# KiCad board proteus.kicad_pcb (continued)
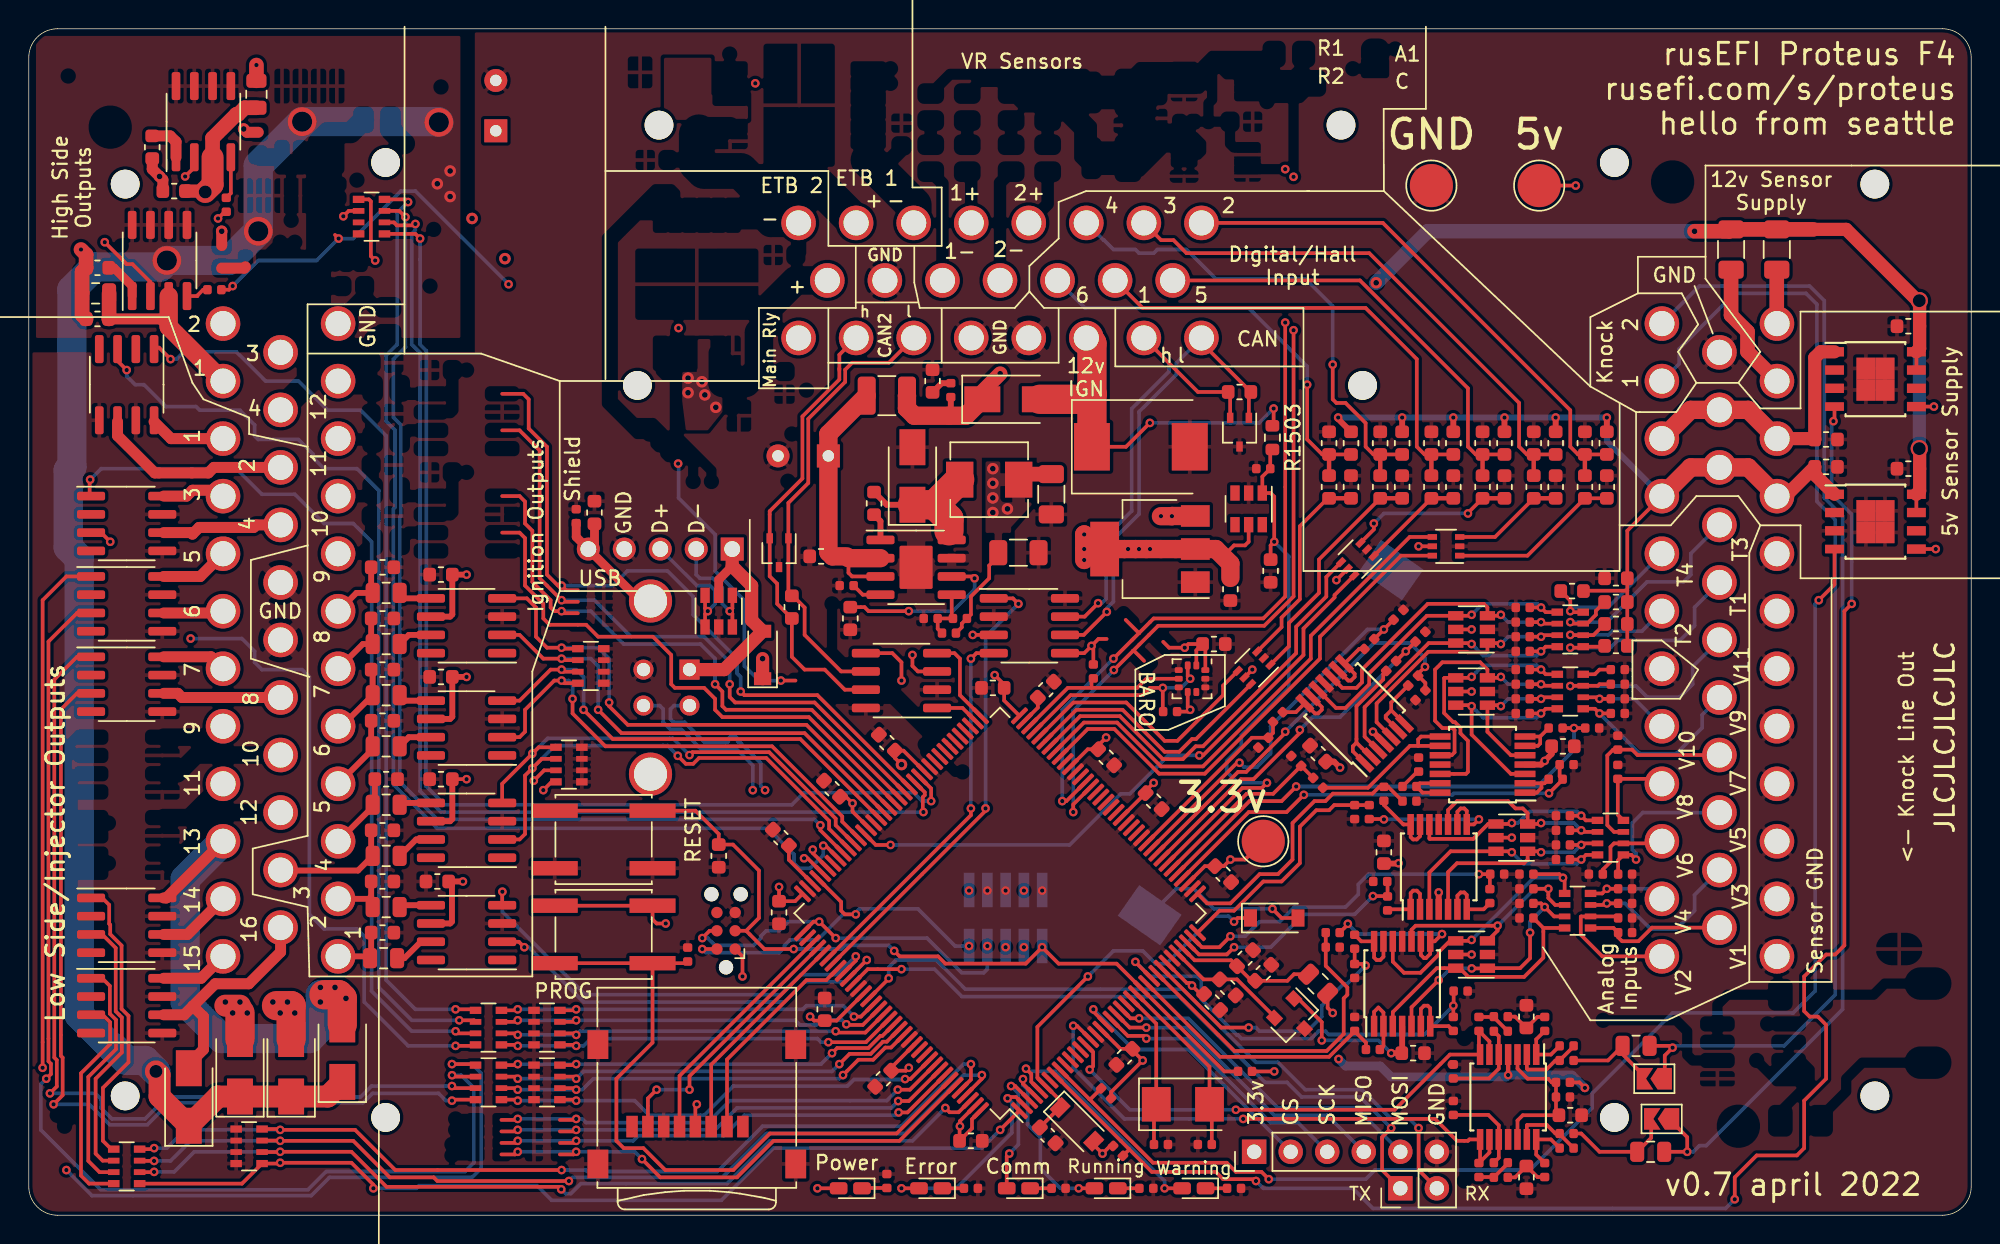
[diagram p0: board, top side]
## Footprints (pads in the part's own frame, mm; a bottom-side part is the same pattern mirrored in y, then rotated)
ampseal-23
  round 2 hole 2 unplated: (-25.2,-7.3) (-23.7,10.8) (23.7,10.8) (25.2,-7.3)
  round 2.4 hole 1.75: 1(-14,4) 2(-10,4) 3(-6,4) 4(-2,4) 5(2,4) 6(6,4) 7(10,4) 8(14,4) 9(-12,0) 10(-8,0) 11(-4,0) 12(0,0) 13(4,0) 14(8,0) 15(12,0) 16(-14,-4) 17(-10,-4) 18(-6,-4) 19(-2,-4) 20(2,-4) 21(6,-4) 22(10,-4) 23(14,-4)
ampseal-35
  round 2 hole 2 unplated: (-33.2,-7.3) (-31.7,10.8) (31.7,10.8) (33.2,-7.3)
  round 2.4 hole 1.75: 1(-22,4) 2(-18,4) 3(-14,4) 4(-10,4) 5(-6,4) 6(-2,4) 7(2,4) 8(6,4) 9(10,4) 10(14,4) 11(18,4) 12(22,4) 13(-20,0) 14(-16,0) 15(-12,0) 16(-8,0) 17(-4,0) 18(0,0) 19(4,0) 20(8,0) 21(12,0) 22(16,0) 23(20,0) 24(-22,-4) 25(-18,-4) 26(-14,-4) 27(-10,-4) 28(-6,-4) 29(-2,-4) 30(2,-4) 31(6,-4) 32(10,-4) 33(14,-4) 34(18,-4) 35(22,-4)
ampseal-35-2
  round 2 hole 2 unplated: (-33.2,-7.3) (-31.7,10.8) (31.7,10.8) (33.2,-7.3)
  round 2.4 hole 1.75: 1(-22,4) 2(-18,4) 3(-14,4) 4(-10,4) 5(-6,4) 6(-2,4) 7(2,4) 8(6,4) 9(10,4) 10(14,4) 11(18,4) 12(22,4) 13(-20,0) 14(-16,0) 15(-12,0) 16(-8,0) 17(-4,0) 18(0,0) 19(4,0) 20(8,0) 21(12,0) 22(16,0) 23(20,0) 24(-22,-4) 25(-18,-4) 26(-14,-4) 27(-10,-4) 28(-6,-4) 29(-2,-4) 30(2,-4) 31(6,-4) 32(10,-4) 33(14,-4) 34(18,-4) 35(22,-4)
BatteryHolder_Keystone_1060_1x2032
  rect 2.6x3.6 smd: 1(-14.65,0) 2(14.65,0)
C_0402_1005Metric
  rrect 0.59x0.64 smd: 1(-0.485,0) 2(0.485,0)
C_0603_1608Metric
  rrect 0.875x0.95 smd: 1(-0.787,0) 2(0.787,0)
C_0805_2012Metric
  rrect 0.975x1.4 smd: 1(-0.938,0) 2(0.938,0)
C_1206_3216Metric
  rrect 1.25x1.75 smd: 1(-1.4,0) 2(1.4,0)
conn_5_2.5mm
  rect 1.6x1.6 hole 1.1: 1(-5,0)
  round 1.6 hole 1.1: 2(-2.5,0) 3(0,0) 4(2.5,0) 5(5,0)
CP_Radial_D8.0mm_P3.50mm
  rect 1.6x1.6 hole 0.8: 1(0,0)
  round 1.6 hole 0.8: 2(3.5,0)
Crystal_SMD_5032-2Pin_5.0x3.2mm
  rect 2x2.4 smd: 1(-1.85,0) 2(1.85,0)
D_SMA
  rect 2.5x1.8 smd: 1(-2,0) 2(2,0)
D_SMC
  rect 2.5x3.3 smd: 1(-3.4,0) 2(3.4,0)
D_SOD-123
  rect 0.9x1.2 smd: 1(-1.65,0) 2(1.65,0)
Infineon_PG-DSO-8-43
  rect 1.31x0.65 smd: 1(-2.845,1.905) 2(-2.845,0.635) 3(-2.845,-0.635) 5(2.845,-1.905) 6(2.845,-0.635) 7(2.845,0.635) 8(2.845,1.905)
  rect 1.31x0.6 smd: 4(-2.845,-1.905)
  rect 1.325x1.5 smd: 9(-0.662,0.75) 9(-0.662,-0.75) 9(0.662,0.75) 9(0.662,-0.75)
L_0805_2012Metric
  rrect 0.975x1.4 smd: 1(-0.938,0) 2(0.938,0)
L_1210_3225Metric
  rrect 1.25x2.65 smd: 1(-1.4,0) 2(1.4,0)
LED_0603_1608Metric_Castellated
  rrect 1.225x0.85 smd: 1(-0.812,0) 2(0.812,0)
LQFP-144_20x20mm_P0.5mm
  rrect 1.475x0.3 smd: 1(-10.662,8.75) 2(-10.662,8.25) 3(-10.663,7.75) 4(-10.662,7.25) 5(-10.662,6.75) 6(-10.662,6.25) 7(-10.662,5.75) 8(-10.662,5.25) 9(-10.662,4.75) 10(-10.662,4.25) 11(-10.662,3.75) 12(-10.662,3.25) 13(-10.662,2.75) 14(-10.662,2.25) 15(-10.662,1.75) 16(-10.663,1.25) 17(-10.662,0.75) 18(-10.662,0.25) 19(-10.662,-0.25) 20(-10.662,-0.75) 21(-10.663,-1.25) 22(-10.662,-1.75) 23(-10.662,-2.25) 24(-10.662,-2.75) 25(-10.662,-3.25) 26(-10.662,-3.75) 27(-10.662,-4.25) 28(-10.662,-4.75) 29(-10.662,-5.25) 30(-10.662,-5.75) 31(-10.662,-6.25) 32(-10.662,-6.75) 33(-10.662,-7.25) 34(-10.663,-7.75) 35(-10.662,-8.25) 36(-10.662,-8.75) 73(10.662,-8.75) 74(10.662,-8.25) 75(10.663,-7.75) 76(10.662,-7.25) 77(10.662,-6.75) 78(10.662,-6.25) 79(10.662,-5.75) 80(10.662,-5.25) 81(10.662,-4.75) 82(10.662,-4.25) 83(10.662,-3.75) 84(10.662,-3.25) 85(10.662,-2.75) 86(10.662,-2.25) 87(10.662,-1.75) 88(10.663,-1.25) 89(10.662,-0.75) 90(10.662,-0.25) 91(10.662,0.25) 92(10.662,0.75) 93(10.663,1.25) 94(10.662,1.75) 95(10.662,2.25) 96(10.662,2.75) 97(10.662,3.25) 98(10.662,3.75) 99(10.662,4.25) 100(10.662,4.75) 101(10.662,5.25) 102(10.662,5.75) 103(10.662,6.25) 104(10.662,6.75) 105(10.662,7.25) 106(10.663,7.75) 107(10.662,8.25) 108(10.662,8.75)
  rrect 0.3x1.475 smd: 37(-8.75,-10.662) 38(-8.25,-10.662) 39(-7.75,-10.663) 40(-7.25,-10.662) 41(-6.75,-10.662) 42(-6.25,-10.662) 43(-5.75,-10.662) 44(-5.25,-10.662) 45(-4.75,-10.662) 46(-4.25,-10.662) 47(-3.75,-10.662) 48(-3.25,-10.662) 49(-2.75,-10.662) 50(-2.25,-10.662) 51(-1.75,-10.662) 52(-1.25,-10.663) 53(-0.75,-10.662) 54(-0.25,-10.662) 55(0.25,-10.662) 56(0.75,-10.662) 57(1.25,-10.663) 58(1.75,-10.662) 59(2.25,-10.662) 60(2.75,-10.662) 61(3.25,-10.662) 62(3.75,-10.662) 63(4.25,-10.662) 64(4.75,-10.662) 65(5.25,-10.662) 66(5.75,-10.662) 67(6.25,-10.662) 68(6.75,-10.662) 69(7.25,-10.662) 70(7.75,-10.663) 71(8.25,-10.662) 72(8.75,-10.662) 109(8.75,10.662) 110(8.25,10.662) 111(7.75,10.663) 112(7.25,10.662) 113(6.75,10.662) 114(6.25,10.662) 115(5.75,10.662) 116(5.25,10.662) 117(4.75,10.662) 118(4.25,10.662) 119(3.75,10.662) 120(3.25,10.662) 121(2.75,10.662) 122(2.25,10.662) 123(1.75,10.662) 124(1.25,10.663) 125(0.75,10.662) 126(0.25,10.662) 127(-0.25,10.662) 128(-0.75,10.662) 129(-1.25,10.663) 130(-1.75,10.662) 131(-2.25,10.662) 132(-2.75,10.662) 133(-3.25,10.662) 134(-3.75,10.662) 135(-4.25,10.662) 136(-4.75,10.662) 137(-5.25,10.662) 138(-5.75,10.662) 139(-6.25,10.662) 140(-6.75,10.662) 141(-7.25,10.662) 142(-7.75,10.663) 143(-8.25,10.662) 144(-8.75,10.662)
microSD_HC_Wuerth_693072010801
  rect 0.8x1.5 smd: 1(-3.2,1.55) 2(-2.1,1.55) 3(-1,1.55) 4(0.1,1.55) 5(1.2,1.55) 6(2.3,1.55) 7(3.4,1.55) 8(4.5,1.55)
  rect 1.45x2 smd: 9(-6.875,4.15) 9(-6.875,-4.15) 9(6.875,4.15) 9(6.875,-4.15)
MWSA0503
  rect 1.9x2.5 smd: 1(2.05,0) 2(-2.05,0)
PinHeader_1x02_P2.54mm_Vertical
  rect 1.7x1.7 hole 1: 1(0,0)
  oval 1.7x1.7 hole 1: 2(0,-2.54)
PinHeader_1x06_P2.54mm_Vertical
  rect 1.7x1.7 hole 1: 1(0,0)
  oval 1.7x1.7 hole 1: 2(0,-2.54) 3(0,-5.08) 4(0,-7.62) 5(0,-10.16) 6(0,-12.7)
PinHeader_2x05_P1.27mm_Vertical_SMD
  rect 2.4x0.74 smd: 1(-1.95,2.54) 2(1.95,2.54) 3(-1.95,1.27) 4(1.95,1.27) 5(-1.95,0) 6(1.95,0) 7(-1.95,-1.27) 8(1.95,-1.27) 9(-1.95,-2.54) 10(1.95,-2.54)
R_0402_1005Metric
  rrect 0.59x0.64 smd: 1(-0.485,0) 2(0.485,0)
R_0603_1608Metric
  rrect 0.875x0.95 smd: 1(-0.787,0) 2(0.787,0)
R_0603_1608Metric#2
  rrect 0.8x0.95 smd: 1(-0.825,0) 2(0.825,0)
R_0805_2012Metric
  rrect 0.975x1.4 smd: 1(-0.938,0) 2(0.938,0)
R_1206_3216Metric
  rrect 1.25x1.75 smd: 1(-1.4,0) 2(1.4,0)
R_Array_Convex_4x0603
  rect 0.8x0.5 smd: 1(-0.9,1.2) 4(-0.9,-1.2) 5(0.9,-1.2) 8(0.9,1.2)
  rect 0.8x0.4 smd: 2(-0.9,0.4) 3(-0.9,-0.4) 6(0.9,-0.4) 7(0.9,0.4)
SOIC-8-1EP_3.9x4.9mm_P1.27mm_EP2.29x3mm
  rrect 0.92x1.21 smd: (-0.57,0.75) (-0.57,-0.75) (0.57,0.75) (0.57,-0.75)
  rrect 1.95x0.6 smd: 1(-2.475,1.905) 2(-2.475,0.635) 3(-2.475,-0.635) 4(-2.475,-1.905) 5(2.475,-1.905) 6(2.475,-0.635) 7(2.475,0.635) 8(2.475,1.905)
  rrect 2.3x3 smd: 9(0,0)
SOIC-8_3.9x4.9mm_P1.27mm
  rrect 1.95x0.6 smd: 1(-2.475,1.905) 2(-2.475,0.635) 3(-2.475,-0.635) 4(-2.475,-1.905) 5(2.475,-1.905) 6(2.475,-0.635) 7(2.475,0.635) 8(2.475,1.905)
SolderJumper-2_P1.3mm_Open_TrianglePad1.0x1.5mm
  custom 1.5x1.5 smd: 1(-0.725,0)
  custom 1.15x1.5 smd: 2(0.725,0)
SOT-23
  rect 0.9x0.8 smd: 1(-1,0.95) 2(-1,-0.95) 3(1,0)
SOT-23-6
  rect 1.06x0.65 smd: 1(-1.1,0.95) 2(-1.1,0) 3(-1.1,-0.95) 4(1.1,-0.95) 5(1.1,0) 6(1.1,0.95)
SOT-223-3_TabPin2
  rect 2x1.5 smd: 1(-3.15,2.3) 2(-3.15,0) 3(-3.15,-2.3)
  rect 2x3.8 smd: 2(3.15,0)
SOT-323_SC-70
  rect 0.7x0.45 smd: 1(-1,0.65) 2(-1,-0.65) 3(1,0)
SOT-363_SC-70-6
  rect 0.65x0.4 smd: 1(-0.95,0.65) 2(-0.95,0) 3(-0.95,-0.65) 4(0.95,-0.65) 5(0.95,0) 6(0.95,0.65)
ST_HLGA-10_2.5x2.5mm_P0.6mm_LayoutBorder3x2y
  rrect 0.55x0.4 smd: 1(-0.925,0.3) 2(-0.925,-0.3) 6(0.925,-0.3) 7(0.925,0.3)
  rrect 0.4x0.55 smd: 3(-0.6,-0.925) 4(0,-0.925) 5(0.6,-0.925) 8(0.6,0.925) 9(0,0.925) 10(-0.6,0.925)
SW_SPST_EVQQ2
  rect 3.2x1 smd: 1(-3.4,2) 1(3.4,2) 2(-3.4,-2) 2(3.4,-2)
Tag-Connect_TC2030-IDC-NL_2x03_P1.27mm_Vertical
  round 0.991 hole 0.991 unplated: (-2.54,0) (2.54,1.016) (2.54,-1.016)
  round 0.787 smd: 1(-1.27,-0.635) 2(-1.27,0.635) 3(0,-0.635) 4(0,0.635) 5(1.27,-0.635) 6(1.27,0.635)
TestPoint_Pad_D3.0mm
  round 3 smd: 1(0,0)
TSSOP-14_4.4x5mm_P0.65mm
  rect 1.45x0.45 smd: 1(-2.95,1.95) 2(-2.95,1.3) 3(-2.95,0.65) 4(-2.95,0) 5(-2.95,-0.65) 6(-2.95,-1.3) 7(-2.95,-1.95) 8(2.95,-1.95) 9(2.95,-1.3) 10(2.95,-0.65) 11(2.95,0) 12(2.95,0.65) 13(2.95,1.3) 14(2.95,1.95)
TSSOP-14_4.4x5mm_P0.65mm#2
  rect 1.45x0.45 smd: 1(-2.95,1.95) 2(-2.95,1.3) 3(-2.95,0.65) 4(-2.95,0) 5(-2.95,-0.65) 6(-2.95,-1.3) 7(-2.95,-1.95) 8(2.95,-1.95) 9(2.95,-1.3) 10(2.95,-0.65) 11(2.95,0) 12(2.95,0.65) 13(2.95,1.3) 14(2.95,1.95)
USB_B_TE_5787834_Vertical
  rect 1.4x1.4 hole 0.92: 1(0,0)
  round 1.4 hole 0.92: 2(-2.5,0) 3(-2.5,-3.2) 4(0,-3.2)
  round 3 hole 2.3: 5(-7.27,-2.71) 5(4.77,-2.71)

## Nets
+3V3: C20.1 C903.1 C1503.2 C1504.2 C1505.2 C1506.2 C1507.2 C1508.2 C1509.2 C1510.2 C1511.2 C1512.2 C1513.2 C1515.2 D4.2 D1501.5 D1502.2 FB1501.1 J1.4 J4.1 J108.1 J1502.1 J1505.1 R39.1 R40.2 R41.1 R1006.2 R1007.2 R1105.2 R1107.2 R1502.2 SW1502.2 U5.4 U6.5 U9.1 U9.6 U9.10 U902.2 U904.5 U1501.17 U1501.30 U1501.39 U1501.52 U1501.62 U1501.72 U1501.84 U1501.95 U1501.108 U1501.121 U1501.131 U1501.143 U1501.144
+5V: C701.1 C801.1 C901.1 C905.1 C906.1 C1004.1 C1101.1 C1604.2 C1607.2 C1701.2 C1704.2 D1503.1 J107.1 L1001.2 R908.2 U1.5 U2.5 U3.5 U4.5 U6.3 U8.1 U701.4 U801.4 U901.4 U902.3 U904.3 U1004.5 U1005.5 U1101.4 U1202.5 U1207.5 U1208.5 U1602.6 U1603.6 U1701.6 U1702.6
/5V_SENSOR_1: C1016.1 C1409.2 J103.9 J103.21 J103.32 R1101.1 R1102.1 R1103.1 R1104.1 R1201.1 R1203.1 R1401.1 R1403.1 R1405.1 R1407.1 U1004.1
/5V_SENSOR_2: C1018.1 J103.10 J103.22 J103.33 U1005.1
/12V_MR: C17.1 D101.1 D102.1 D103.1 D104.1 J101.23 U1102.5 U1102.6 U1102.7 U1102.8 U1103.5 U1103.6 U1103.7 U1103.8
/12V_PROT: C1015.1 C1017.1 D903.1 F101.2 F102.1 L1002.1 R906.1 U1004.7 U1004.8 U1005.7 U1005.8
/12V_RAW: D903.2 D1001.1 J101.18 R1503.1
/AV1: J103.13 R701.1 RN701.1
/AV2: J103.24 R702.1 RN701.2
/AV3: J103.14 R703.1 RN701.3
/AV4: J103.25 R704.1 RN701.4
/AV5: J103.15 R801.1 RN801.1
/AV6: J103.26 R802.1 RN801.2
/AV7: J103.16 R803.1 RN801.3
/AV8: J103.27 R804.1 RN801.4
/AV9: J103.17 R901.1 RN901.1
/AV10: J103.28 R902.1 RN901.2
/AV11: J103.18 R903.1 RN901.3
/mcu/5V_SENSOR_1_PG: R1006.1 U1004.4 U1501.9
/mcu/5V_SENSOR_2_PG: R1007.1 U1005.4 U1501.8
/mcu/12V_DIVIDED: C1523.1 D1501.1 R1503.2 R1504.1 U1501.43
/mcu/AV1: R1.1 R5.2 U1501.26
/mcu/AV2: R2.1 R6.2 U1501.27
/mcu/AV3: R3.1 R7.2 U1501.28
/mcu/AV4: R4.1 R8.2 U1501.29
/mcu/AV5: R9.1 R13.2 U1501.34
/mcu/AV6: R10.1 R14.2 U1501.35
/mcu/AV7: R11.1 R15.2 U1501.36
/mcu/AV8: R12.1 R16.2 U1501.37
/mcu/AV9: R17.1 R21.2 U1501.40
/mcu/AV10: R18.1 R22.2 U1501.41
/mcu/AV11: R19.1 R23.2 U1501.42
/mcu/VDDA: C1501.1 C1502.1 FB1501.2 U1501.33
GND: BT1.2 C1.2 C2.2 C3.2 C4.2 C5.2 C6.2 C7.2 C8.2 C9.2 C10.2 C11.2 C12.2 C13.2 C14.2 C15.2 C16.2 C17.2 C20.2 C21.1 C22.1 C25.1 C26.1 C30.2 C701.2 C801.2 C901.2 C902.2 C903.2 C906.2 C1001.2 C1002.2 C1004.2 C1006.2 C1015.2 C1016.2 C1017.2 C1018.2 C1101.2 C1204.2 C1205.2 C1207.2 C1208.2 C1301.2 C1302.2 C1401.2 C1402.2 C1403.2 C1404.2 C1405.2 C1406.2 C1407.2 C1408.2 C1409.1 C1501.2 C1502.2 C1503.1 C1504.1 C1505.1 C1506.1 C1507.1 C1508.1 C1509.1 C1510.1 C1511.1 C1512.1 C1513.1 C1515.1 C1516.2 C1517.1 C1518.2 C1519.2 C1520.2 C1521.2 C1522.2 C1523.2 C1604.1 C1605.2 C1606.2 C1607.1 C1608.2 C1609.2 C1701.1 C1702.2 C1703.2 C1704.1 C1705.2 C1706.2 C1903.1 D1.3 D2.3 D901.2 D1001.2 D1501.2 J1.6 J1.9 J4.5 J101.14 J101.19 J101.20 J102.17 J102.18 J102.24 J103.1 J103.2 J103.3 J103.4 J103.5 J103.6 J103.7 J103.8 J103.23 J103.29 J105.1 J1501.4 J1502.3 J1502.5 J1502.9 J1504.4 J1505.6 R5.1 R6.1 R7.1 R8.1 R13.1 R14.1 R15.1 R16.1 R21.1 R22.1 R23.1 R24.1 R29.1 R30.1 R31.1 R32.1 R34.2 R35.2 R38.2 R701.2 R702.2 R703.2 R704.2 R801.2 R802.2 R803.2 R804.2 R901.2 R902.2 R903.2 R904.2 R905.2 R907.2 R1106.2 R1108.2 R1501.2 R1504.2 R1508.1 R1509.1 R1510.1 R1511.1 R1512.1 R1513.2 RN202.1 RN202.2 RN202.3 RN202.4 RN302.1 RN302.2 RN302.3 RN302.4 RN502.1 RN502.2 RN502.3 RN502.4 RN1601.1 RN1601.2 RN1601.3 RN1601.4 RN1701.1 RN1701.2 RN1701.3 RN1701.4 SW1501.2 U1.2 U2.2 U3.2 U4.2 U5.11 U6.2 U6.8 U8.3 U9.3 U9.5 U9.8 U9.9 U201.5 U201.7 U202.5 U202.7 U301.5 U301.7 U302.5 U302.7 U501.5 U501.7 U502.5 U502.7 U701.11 U801.11 U901.11 U902.1 U903.7 U903.9 U904.2 U904.8 U1004.3 U1004.9 U1005.3 U1005.9 U1101.11 U1202.2 U1207.2 U1208.2 U1501.16 U1501.31 U1501.38 U1501.48 U1501.51 U1501.61 U1501.83 U1501.94 U1501.107 U1501.120 U1501.130 U1502.2 U1602.3 U1603.3 U1701.3 U1702.3
/AT1: J103.19 R1101.2 RN1101.1
/AT2: J103.30 R1102.2 RN1101.2
/AT3: J103.20 R1103.2 RN1101.3
/AT4: J103.31 R1104.2 RN1101.4
/CAN2+: D2.2 J101.22 R33.1 U6.7
/CAN2-: D2.1 J101.21 R33.2 U6.6
/CAN+: D1.2 J101.17 R1004.1 U904.7
/CAN-: D1.1 J101.16 R1004.2 U904.6
/DIGITAL_1: C1401.1 J101.10 R1401.2 R1402.2
/DIGITAL_2: C1403.1 J101.1 R1403.2 R1404.2
/DIGITAL_3: C1405.1 J101.2 R1405.2 R1406.2
/DIGITAL_4: C1407.1 J101.3 R1407.2 R1408.2
/DIGITAL_5: C1204.1 J101.9 R1201.2 R1202.2
/DIGITAL_6: C1207.1 J101.11 R1203.2 R1204.2
/ETB1_DIR: J101.7 U1501.79
/ETB1_DIS: J101.6 U1501.80
/ETB1_PWM: U1501.81
/ETB2_DIR: J101.15 U1501.78
/ETB2_DIS: J101.8 U1501.77
/ETB2_PWM: U1501.82
/highside_quad/IN1: RN1301.4 U1501.101
/highside_quad/IN2: RN1301.3 U1501.100
/highside_quad/IN3: RN1301.2 U1501.86
/highside_quad/IN4: RN1301.1 U1501.85
/HS1: C1301.1 J102.2 R34.1 U1102.3
/HS2: C1302.1 J102.1 R35.1 U1103.3
/HS3: J102.13 RN1301.7
/HS4: J102.14 RN1301.8
/IGN1: C1605.1 J102.35 R1601.1
/ign1/IN1: RN1601.8 U1501.118 U1602.2
/ign1/IN2: RN1601.7 U1501.117 U1602.4
/ign1/IN3: RN1601.6 U1501.99 U1603.2
/ign1/IN4: RN1601.5 U1501.98 U1603.4
/IGN2: C1606.1 J102.34 R1602.1
/ign2/IN1: RN1701.8 U1501.97 U1701.2
/ign2/IN2: RN1701.7 U1501.93 U1701.4
/ign2/IN3: RN1701.6 U1501.92 U1702.2
/ign2/IN4: RN1701.5 U1501.91 U1702.4
/IGN3: C1608.1 J102.22 R1603.1
/IGN4: C1609.1 J102.33 R1604.1
/IGN5: C1702.1 J102.32 R1701.1
/IGN6: C1703.1 J102.31 R1702.1
/IGN7: C1705.1 J102.30 R1703.1
/IGN8: C1706.1 J102.29 R1704.1
/IGN9: J102.28 U1501.90
/IGN10: J102.27 U1501.89
/IGN11: J102.26 U1501.88
/IGN12: J102.25 U1501.87
/knock/FILTERED_1: C23.2 U5.6 U5.7 U1501.14
/knock/FILTERED_2: C24.2 U5.8 U5.9 U1501.15
/knock/V_mid: C1903.2 R38.1 R40.1 U5.3 U5.12
/KNOCK_1: C1901.2 J103.34 JP1.1
/KNOCK_2: C1902.2 J103.35 JP2.1
/lowside_quad1/IN1: RN201.4 RN202.8 U1501.123
/lowside_quad1/IN2: RN201.3 RN202.7 U1501.124
/lowside_quad1/IN3: RN201.2 RN202.6 U1501.125
/lowside_quad1/IN4: RN201.1 RN202.5 U1501.126
/lowside_quad2/IN1: RN301.4 RN302.8 U1501.127
/lowside_quad2/IN2: RN301.3 RN302.7 U1501.128
/lowside_quad2/IN3: RN301.2 RN302.6 U1501.129
/lowside_quad2/IN4: RN301.1 RN302.5 U1501.134
/lowside_quad4/IN1: RN501.4 RN502.8 U1501.140
/lowside_quad4/IN2: RN501.3 RN502.7 U1501.141
/lowside_quad4/IN3: RN501.2 RN502.6 U1501.142
/lowside_quad4/IN4: RN501.1 RN502.5 U1501.1
/LS1: J102.3 U201.8
/LS2: J102.15 U201.6
/LS3: J102.4 U202.8
/LS4: J102.16 U202.6
/LS5: J102.5 U301.8
/LS6: J102.6 U301.6
/LS7: J102.7 U302.8
/LS8: J102.19 U302.6
/LS9: J102.8 U1501.135
/LS10: J102.20 U1501.136
/LS11: J102.9 U1501.137
/LS12: J102.21 U1501.139
/LS13: D103.2 J102.10 U501.8
/LS14: D101.2 J102.11 U501.6
/LS15: D104.2 J102.12 U502.8
/LS16: D102.2 J102.23 U502.6
/mcu/AT1: R25.1 R29.2 U1501.44
/mcu/AT2: R26.1 R30.2 U1501.45
/mcu/AT3: R27.1 R31.2 U1501.46
/mcu/AT4: R28.1 R32.2 U1501.47
/mcu/AUX_SPI_CS: J1505.2 U1501.18
/mcu/AUX_SPI_MISO: J1505.4 U1501.20
/mcu/AUX_SPI_MOSI: J1505.5 U1501.21
/mcu/AUX_SPI_SCK: J1505.3 U1501.19
/mcu/BARO_SCL: R41.2 U9.2 U1501.69
/mcu/BARO_SDA: R39.2 U9.4 U1501.70
/mcu/BOOT0: R1513.1 SW1502.1 U1501.138
/mcu/CAN2_RX: U6.4 U1501.73
/mcu/CAN2_TX: U6.1 U1501.74
/mcu/CAN_RX: U904.4 U1501.114
/mcu/CAN_TX: U904.1 U1501.115
/mcu/DIGITAL1: U1202.6 U1501.96
/mcu/DIGITAL2: U1207.6 U1501.64
/mcu/DIGITAL3: U1207.4 U1501.65
/mcu/DIGITAL4: U1208.6 U1501.67
/mcu/DIGITAL5: U1202.4 U1501.66
/mcu/DIGITAL6: U1208.4 U1501.68
/mcu/LED1: D1504.2 U1501.2
/mcu/LED2: D1505.2 U1501.3
/mcu/LED3: D1506.2 U1501.4
/mcu/LED4: D1507.2 U1501.5
/mcu/nRESET: C1517.2 J4.3 J1502.10 R1502.1 SW1501.1 U1501.25
/mcu/SD_CS: J1.2 U1501.116
/mcu/SD_MISO: J1.7 U1501.112
/mcu/SD_MOSI: J1.3 U1501.113
/mcu/SD_SCK: J1.5 U1501.111
/mcu/SWCLK: J4.4 J1502.4 U1501.109
/mcu/SWDIO: J4.2 J1502.2 U1501.105
/mcu/UART_RX: J2.2 U1501.122
/mcu/UART_TX: J2.1 U1501.119
/quad_analog3/IN4: R904.1 RN901.4
/quad_analog3/OUT4: R20.1 R24.2
/USB_D+: J1501.3 J1504.3 U1501.104 U1502.1 U1502.6
/USB_D-: J1501.2 J1504.2 U1501.103 U1502.3 U1502.4
/USB_SHIELD: C1516.1 J1501.5 J1504.5 R1501.1
/VR1+: J101.5 U1501.58
/VR2+: J101.4 U1501.59
Net-(BT1-Pad1): BT1.1 D3.2
Net-(C1-Pad1): C1.1 RN701.8 U1.6 U701.3
Net-(C2-Pad1): C2.1 RN701.7 U1.1 U701.5
Net-(C3-Pad1): C3.1 RN701.6 U1.3 U701.10
Net-(C4-Pad1): C4.1 RN701.5 U1.4 U701.12
Net-(C5-Pad1): C5.1 RN801.8 U2.6 U801.3
Net-(C6-Pad1): C6.1 RN801.7 U2.1 U801.5
Net-(C7-Pad1): C7.1 RN801.6 U2.3 U801.10
Net-(C8-Pad1): C8.1 RN801.5 U2.4 U801.12
Net-(C9-Pad1): C9.1 RN901.8 U3.6 U901.3
Net-(C10-Pad1): C10.1 RN901.7 U3.1 U901.5
Net-(C11-Pad1): C11.1 RN901.6 U3.3 U901.10
Net-(C12-Pad1): C12.1 RN901.5 U3.4 U901.12
Net-(C13-Pad1): C13.1 RN1101.8 U4.6 U1101.3
Net-(C14-Pad1): C14.1 RN1101.7 U4.1 U1101.5
Net-(C15-Pad1): C15.1 RN1101.6 U4.3 U1101.10
Net-(C16-Pad1): C16.1 RN1101.5 U4.4 U1101.12
Net-(C21-Pad2): C21.2 R42.1 R44.2
Net-(C22-Pad2): C22.2 R43.1 R45.2
Net-(C23-Pad1): C23.1 R44.1 R46.2
Net-(C24-Pad1): C24.1 R45.1 R47.2
Net-(C25-Pad2): C25.2 R46.1 U5.5
Net-(C26-Pad2): C26.2 R47.1 U5.10
Net-(C30-Pad1): C30.1 D3.1 D4.1 U1501.6
Net-(C902-Pad1): C902.1 U903.6
Net-(C904-Pad1): C904.1 U903.1
Net-(C904-Pad2): C904.2 D901.1 L1001.1 U903.8
Net-(C905-Pad2): C905.2 R907.1 R908.1 U903.5
Net-(C1001-Pad1): C1001.1 C1002.1 L1002.2 U903.2 U903.3
Net-(C1006-Pad1): C1006.1 R906.2
Net-(C1205-Pad1): C1205.1 R1202.1 U1202.3
Net-(C1208-Pad1): C1208.1 R1204.1 U1208.3
Net-(C1402-Pad1): C1402.1 R1402.1 U1202.1
Net-(C1404-Pad1): C1404.1 R1404.1 U1207.1
Net-(C1406-Pad1): C1406.1 R1406.1 U1207.3
Net-(C1408-Pad1): C1408.1 R1408.1 U1208.1
Net-(C1518-Pad1): C1518.1 U1501.71
Net-(C1519-Pad1): C1519.1 U1501.106
Net-(C1520-Pad1): C1520.1 U8.2 U1501.32
Net-(C1521-Pad1): C1521.1 U1501.23 Y1501.1
Net-(C1522-Pad1): C1522.1 U1501.24 Y1501.2
Net-(C1901-Pad1): C1901.1 JP1.2 R1901.2
Net-(C1902-Pad1): C1902.1 JP2.2 R1902.2
Net-(D1502-Pad1): D1502.1 R1508.2
Net-(D1503-Pad2): D1503.2 J1501.1 J1504.1 U1502.5
Net-(D1504-Pad1): D1504.1 R1509.2
Net-(D1505-Pad1): D1505.1 R1510.2
Net-(D1506-Pad1): D1506.1 R1511.2
Net-(D1507-Pad1): D1507.1 R1512.2
Net-(F101-Pad1): F101.1 J103.11
Net-(F102-Pad2): F102.2 J103.12
Net-(R1-Pad2): R1.2 U701.1 U701.2
Net-(R2-Pad2): R2.2 U701.6 U701.7
Net-(R3-Pad2): R3.2 U701.8 U701.9
Net-(R4-Pad2): R4.2 U701.13 U701.14
Net-(R9-Pad2): R9.2 U801.1 U801.2
Net-(R10-Pad2): R10.2 U801.6 U801.7
Net-(R11-Pad2): R11.2 U801.8 U801.9
Net-(R12-Pad2): R12.2 U801.13 U801.14
Net-(R17-Pad2): R17.2 U901.1 U901.2
Net-(R18-Pad2): R18.2 U901.6 U901.7
Net-(R19-Pad2): R19.2 U901.8 U901.9
Net-(R20-Pad2): R20.2 U901.13 U901.14
Net-(R25-Pad2): R25.2 U1101.1 U1101.2
Net-(R26-Pad2): R26.2 U1101.6 U1101.7
Net-(R27-Pad2): R27.2 U1101.8 U1101.9
Net-(R28-Pad2): R28.2 U1101.13 U1101.14
Net-(R905-Pad1): R905.1 U903.4
Net-(R1105-Pad1): R1105.1 U1102.4
Net-(R1106-Pad1): R1106.1 U1102.1
Net-(R1107-Pad1): R1107.1 U1103.4
Net-(R1108-Pad1): R1108.1 U1103.1
Net-(R1601-Pad2): R1601.2 U1602.7
Net-(R1602-Pad2): R1602.2 U1602.5
Net-(R1603-Pad2): R1603.2 U1603.7
Net-(R1604-Pad2): R1604.2 U1603.5
Net-(R1701-Pad2): R1701.2 U1701.7
Net-(R1702-Pad2): R1702.2 U1701.5
Net-(R1703-Pad2): R1703.2 U1702.7
Net-(R1704-Pad2): R1704.2 U1702.5
Net-(R1901-Pad1): R1901.1 R1903.2 U5.2
Net-(R1902-Pad1): R1902.1 R1904.2 U5.13
Net-(R1903-Pad1): R42.2 R1903.1 U5.1
Net-(R1904-Pad1): R43.2 R1904.1 U5.14
Net-(RN201-Pad5): RN201.5 U201.1
Net-(RN201-Pad6): RN201.6 U201.3
Net-(RN201-Pad7): RN201.7 U202.1
Net-(RN201-Pad8): RN201.8 U202.3
Net-(RN301-Pad5): RN301.5 U301.1
Net-(RN301-Pad6): RN301.6 U301.3
Net-(RN301-Pad7): RN301.7 U302.1
Net-(RN301-Pad8): RN301.8 U302.3
Net-(RN501-Pad5): RN501.5 U501.1
Net-(RN501-Pad6): RN501.6 U501.3
Net-(RN501-Pad7): RN501.7 U502.1
Net-(RN501-Pad8): RN501.8 U502.3
Net-(RN1301-Pad5): RN1301.5 U1102.2
Net-(RN1301-Pad6): RN1301.6 U1103.2

Pads without a net: D1501 3 4 6; J1 1 8; J4 6; J101 12 13; J1502 6 7 8; U9 7; U201 2 4; U202 2 4; U301 2 4; U302 2 4; U501 2 4; U502 2 4; U1004 2 6; U1005 2 6; U1501 7 10 11 12 13 22 49 50 53 54 55 56 57 60 63 75 76 102 110 132 133; U1602 1 8; U1603 1 8; U1701 1 8; U1702 1 8

## Via types
v1: diameter 0.599, hole 0.3, Top to Bottom, 285 vias
v2: diameter 0.8, hole 0.4, Top to Bottom, 35 vias
v3: diameter 0.6, hole 0.3, Top to Bottom, 40 vias
v4: diameter 1.2, hole 0.9, Top to Bottom, 4 vias
v5: diameter 2, hole 1.4, Top to Bottom, 4 vias

## Routing (per net, layer and track width the routed paths; a pad name or vN(x,y) marks a point on that pad's centre or on a via; arc(x,y) is an arc through that point)
+3V3: length 225.4
  Top w0.254: U904.5 73.35,39.08 v3(73.86,39.59) ; U1501.17 75.87,11.57 C1515.2 76.7,11.48 v3(77.42,10.76) 75.22,8.56 R1006.2 ; R39.1 73.99,39.46 v3(73.86,39.59) ; 50.47,78.68 v1(50.49,78.71) ; v3(86.56,10) R1502.2 ; U1501.143 64.72,6.55 v1(64.72,6.19) 64.69,6.16 C1511.2 65.56,6.04 65.56,6.68 U1501.144 ; 82.5,46.32 83,45.81 83.77,46.58 84.53,46.58 84.78,46.83 D1501.5 ; U9.6 80.55,35.32 v1(80.72,35.15) 80.59,35.02 R41.1 ; C20.1 80.59,39.72 v1(80.34,39.46) 79.25,39.46 78.84,39.87 ; C20.1 81.77,39.53 U9.10 ; C20.1 81.14,39.28 U9.1 ; U1501.95 57.25,28.07 v1(57.25,28.64) 56.79,29.1 C1508.2 ; v3(108.15,8.86) 107.77,9.24 R40.2 ; 61.51,11.87 U1501.131 59.94,10.26 C1512.2 60.95,10.05 v1(61.16,10.25) ; v1(67.13,37.56) 67.79,36.9 C1503.2 67.79,35.79 U1501.72 ; v3(73.86,39.59) 74.34,40.07 74.91,40.07 ; v3(78.18,30.07) 77.62,29.51 C1509.2 77.62,29.35 U1501.52 ; J1.4 46.33,7.61 v1(46.43,7.71) ; 53.29,37.18 v1(52.27,37.18) ; v1(49.6,16.6) 49.6,18 J4.1 ; U1501.62 73.6,32.4 C1504.2 74.32,32.66 v3(74.88,33.22) ; v1(13.15,69.31) 13.62,69.78 R1107.2 ; v3(14.17,64.61) 13.92,64.36 R1105.2 ; v1(60.65,37.18) 60.65,38.45 60.02,39.08 U6.5 ; U1501.30 80.49,16.14 80.67,16.14 v3(80.84,15.97) 81.43,15.38 C1505.2 ; J108.1 84.53,24.73 v3(83.51,24.73) 83.05,24.27 C1506.2 81.73,24.27 U1501.39 ; 21.28,68.17 v3(21.54,67.91) ; v1(90.62,14.06) 90.27,14.42 FB1501.1 ; SW1502.2 SW1502.2 43.35,20.57 43.63,20.29 v1(44.27,20.29) ; v2(60.65,31.34) 60.19,31.8 C1507.2 60.79,32.3 U1501.84 ; 74.53,5.26 74.53,5.21 ; D4.2 74.01,4.9 v1(74.62,4.29) 75.16,4.82 R1007.2 ; U1501.121 56.14,13.53 C1510.2 54.58,13.53 v1(54.3,13.81) ; U1501.108 53.26,21.84 C1513.2 v1(52.14,22.83) ; D1502.2 v1(54.81,1.87)
  Top w0.305: U5.4 v3(102.82,9.75) ; 108.05,8.75 v3(108.15,8.86)
  Top w1.27: C903.1 83.51,45.31 82.5,46.32 U902.2 U902.2 74.37,46.32 v1(73.35,47.34) v1(73.35,46.32) v1(73.35,45.56)
  In2.Cu w0.254: 45.16,62.45 46.43,63.72 46.43,70.58 48.71,72.87 48.71,77.69 49.73,78.71 v1(50.49,78.71) ; 45.16,62.45 42.87,62.45 40.59,64.74 v1(33.35,64.74) ; 45.16,62.45 v1(45.16,61.69) 45.13,61.66 v1(45.13,52.26) ; v1(13.15,69.31) 13.15,69.65 13.68,70.18 19.27,70.18 v3(21.54,67.91)
  Bottom w0.254: J1502.1 v1(65.35,22.57) ; v1(52.27,37.18) 50.75,37.18 49.73,38.19 49.73,42.77 47.7,44.8 47.7,47.34 45.16,49.88 45.16,52.23 v1(45.13,52.26) ; v1(33.35,64.74) 26.87,71.21 25.85,71.21 22.55,67.91 v3(21.54,67.91) 20.01,66.39 15.95,66.39 v3(14.17,64.61)
  Bottom w0.61: v3(108.15,8.86) 107.26,9.75 v3(102.82,9.75) 102.69,9.62 94.69,9.62 93.93,10.38 91.52,10.38 v3(91.03,10.86)
  vias: v1(76.4,46.32) v1(77.16,46.32) v1(77.92,46.32)
+5V: length 69.7
  Top w0.254: U1208.5 v1(85.04,37.94) ; C905.1 64.84,40.88 64.84,41.14 R908.2 65.48,41.77 65.48,43.02 66.75,44.29 66.75,45.18 67.38,45.81 C1004.1 ; J107.1 v1(107.52,71.59) ; U2.5 v1(103.07,26.26) ; U1207.5 v1(96.59,46.51) ; U8.1 88.23,15.06 89.86,13.43 v1(89.86,12.16) ; U904.3 v1(65.61,40.35) ; U1.5 v1(100.28,18.13) ; U1202.5 v1(90.88,44.16) ; U3.5 v1(100.28,36.42) ; U1005.5 v1(132.41,56.23) ; U1004.5 v1(132.53,46.32) ; v1(61.41,38.96) 61.41,38.19 61.8,37.81 63.13,37.81 ; U4.5 v1(100.28,40.73) ; C1607.2 v1(30.43,30.32)
  Top w0.406: v1(30.43,44.54) C1704.2 29.44,41.78 29.28,41.62 U1702.6 ; v1(94.69,11.27) C701.1 95.45,11.3 U701.4 ; v1(30.43,37.43) C1701.2 29.44,34.66 29.28,34.51 U1701.6 ; U801.4 v1(97.99,22.45) ; C1607.2 29.44,27.55 29.28,27.4 U1603.6 ; 27.95,20.29 29.28,20.29 29.41,20.41 29.41,22.98 C1604.2 v1(30.17,23.21) ; U901.4 105.1,31.34 v1(105.36,31.59) 105.84,32.07 C901.1 ; v1(95.2,24.48) 95.17,24.45 C801.1 ; C1101.1 90.72,31.54 v1(91.13,31.12) ; U1101.4 v1(93.42,33.62)
  Top w0.914: D1503.1 v2(51,38.7)
  Top w1.016: L1001.2 69.18,51.53 C906.1
  Top w1.27: U902.3 79.46,48.62 v1(79.45,48.61) v1(78.69,48.61)
  Bottom w0.254: v1(94.69,11.27) 93.8,12.16 v1(89.86,12.16)
  vias: v2(67,51.91) v2(67,50.89) v2(67,49.88) v2(67,48.86) v2(68.02,49.12)
/5V_SENSOR_1: length 62.1
  Top w0.254: J103.32 111.1,47.6 C1409.2 111.1,43.43 ; R1104.1 108.07,43.43 111.1,43.43 ; 111.1,43.43 R1103.1 R1102.1 R1101.1
  Top w0.406: R1201.1 v1(102.56,55.47) ; v3(91,55.47) 91,55.36 R1203.1 ; R1405.1 v1(106.12,55.47) ; R1407.1 v1(95.45,55.47) ; R1401.1 v1(99.01,55.47) ; R1403.1 v1(109.67,55.47)
  Top w0.914: U1004.1 124.13,51.5 C1016.1 122.09,50 J103.9
  Top w1.27: J103.9 119.5,52 J103.21 115.5,52 J103.32
  Bottom w0.406: v3(91,55.47) v1(95.45,55.47) v1(99.01,55.47) v1(102.56,55.47) v1(106.12,55.47) v1(109.67,55.47) 109.67,53.83 J103.32
/5V_SENSOR_2: length 19.5
  Top w0.914: J103.10 124.07,54 C1018.1 124.13,59.63 124.53,60.04 U1005.1
  Top w1.27: J103.33 115.5,56 J103.22 119.5,56 J103.10
/12V_MR: length 108
  Top w0.406: 53.42,61.08 J101.23
  Top w1.524: D103.1 20.77,8.25 D104.1 D101.1 13.15,8.25 D102.1 9.09,8.25 9.09,9.75 v4(8.84,10)
  Bottom w2.032: v4(8.84,10) 8.07,10.76 6.8,10.76 5.91,11.65 5.79,11.65 3.5,13.94 3.5,45.69 2.74,46.45 2.74,51.78 ; 2.74,51.78 2.99,52.04 ; 2.74,51.78 2.99,52.04 ; 2.99,52.04 2.99,64.36 4.57,65.94 9.15,65.94 v5(9.6,66.39) 13.92,66.39 v5(15.95,68.42) 15.95,72.99 v5(19,76.04) 28.46,76.04 v5(28.5,76)
  vias: v2(28.39,71.72) v2(29.28,72.61) v2(29.28,70.83) v2(30.81,69.31) v2(33.09,66.52) v2(45.82,58.21) v2(45.82,57.19) v2(46.78,57.96) v2(46.99,57.04) v2(47.75,56.18)
/12V_PROT: length 100.4
  Top w0.254: U1004.7 U1004.8 ; U1005.7 U1005.8
  Top w0.406: R906.1 64.08,55.72 63.95,55.59
  Top w0.914: 124.02,68.55 126.31,68.55 131.26,63.59 v4(131.39,63.59) 131.42,63.57 C1017.1 131.42,60.27 U1005.8 ; U1004.8 131.42,50.36 C1015.1 131.42,53.28 v4(131.39,53.31)
  Top w1.016: 66.12,56.74 66.12,57.13 v2(67.51,58.51) ; 124.02,68.55 F102.1 F101.2 118.18,68.42 v2(115.77,68.42)
  Top w1.27: L1002.1 61.03,56.99 61.03,56.1 61.54,55.59 65.13,55.59 D903.1
  In2.Cu w1.016: v2(67.51,58.51) 87.32,58.51 v2(93.64,64.84)
  Bottom w0.914: v4(131.39,53.31) v4(131.39,63.59)
  Bottom w1.016: v2(115.77,68.42) 97.23,68.42 v2(93.64,64.84)
/12V_RAW: length 26.8
  Top w0.254: v3(86.52,56.09) 86.52,54.98 R1503.1 ; D1001.1 76.26,53.43 v3(77.92,55.09)
  Top w1.524: D903.2 70.59,56.74
  Top w2.032: D903.2 73.55,56.74 73.89,57.07 73.89,57.15 ; 73.89,57.15 D1001.1 ; 73.89,57.15 73.89,60.61 J101.18
  Bottom w0.254: v3(77.92,55.09) 85.52,55.09 v3(86.52,56.09)
/AV1: length 9.9
  Top w0.254: J103.13 112.82,20 111.87,19.05 110.74,19.05 110.46,19.33 R701.1 110.14,19.98 RN701.1
/AV2: length 10.2
  Top w0.254: J103.24 109.37,18 107.86,19.5 107.86,20.75 107.89,20.78 RN701.2 110.35,20.78 R702.1
/AV3: length 12.9
  Top w0.254: R703.1 v1(109.67,21.68) 109.57,21.58 RN701.3
  Bottom w0.254: v1(109.67,21.68) 110.94,21.68 112.72,19.91 114.5,19.91 115.77,21.18 115.77,22.27 J103.14
/AV4: length 6.2
  Top w0.254: R704.1 v1(109.67,22.7) 109.35,22.38 RN701.4
  Bottom w0.254: J103.25 112.8,22.7 v1(109.67,22.7)
/AV5: length 11.5
  Top w0.254: v1(111.71,24.73) 111.38,25.06 RN801.1 110.46,24.69 R801.1
  Bottom w0.254: v1(111.71,24.73) 111.71,25.16 111.45,25.41 111.45,27.27 112.18,28 J103.15
/AV6: length 5.8
  Top w0.254: J103.26 113.36,25.86 RN801.2 110.17,25.86 109.93,25.61 109.93,24.57 109.4,24.04 R802.1
/AV7: length 14.3
  Top w0.254: J103.16 111.8,32 111.43,32.38 R803.1 110.12,32.38 109.71,31.97 109.71,27.12 110.17,26.66 RN801.3
/AV8: length 6.3
  Top w0.254: RN801.4 110.44,27.85 R804.1 113.16,30.34 J103.27
/AV9: length 13.7
  Top w0.254: RN901.1 108.84,35.22 v1(109.17,34.89) R901.1
  Bottom w0.254: v1(109.17,34.89) 111.96,32.1 114.5,32.1 116.3,33.9 116.3,34.8 J103.17
/AV10: length 7.1
  Top w0.254: RN901.2 109.06,36.02 v1(109.17,35.91) R902.1
  Bottom w0.254: v1(109.17,35.91) 111.59,35.91 J103.28
/AV11: length 16.1
  Top w0.254: v1(107.13,36.8) 107.15,36.82 RN901.3 109.06,36.82 109.17,36.92 R903.1
  Bottom w0.254: 107.26,36.92 v1(107.13,36.8) 111.71,36.8 112.47,36.03 114.75,36.03 115.64,36.92 115.64,38.14 J103.18
/mcu/5V_SENSOR_1_PG: length 94.1
  Top w0.254: v1(86.18,2.51) 85.67,3.01 83.89,3.01 83.26,3.65 78.13,3.65 73.71,8.07 ; U1004.4 125.5,43.86 v1(124.41,42.77) ; 73.71,8.07 U1501.9 ; 73.71,8.07 73.79,8.07 R1006.1
  Bottom w0.254: v1(86.18,2.51) 92.91,2.51 93.55,3.14 104.34,3.14 108.66,7.46 108.66,8.48 114.25,14.06 122.63,14.06 124.15,15.59 124.15,42.51 v1(124.41,42.77)
/mcu/5V_SENSOR_2_PG: length 114.7
  Top w0.254: 76.46,4.6 71.33,9.74 U1501.8 ; 76.46,4.6 78.05,3.01 82.5,3.01 83,2.51 85.16,2.51 v1(85.29,2.38) ; 76.46,4.6 76.46,4.55 R1007.1 ; v1(118.56,1.11) 118.56,2.63 120.09,4.16 122.88,4.16 123.39,4.67 123.39,7.97 124.91,9.49 124.91,13.24 124.34,13.81 123.77,13.81 123.39,14.19 123.39,16.6 124.91,18.13 125.55,18.13 126.18,18.76 126.18,42 v1(126.69,42.51) ; v1(125.42,55.21) 125.5,55.29 U1005.4
  Bottom w0.254: v1(126.69,42.51) 126.69,48.73 125.29,50.13 125.29,55.09 v1(125.42,55.21) ; v1(85.29,2.38) 85.8,1.87 92.02,1.87 93.42,0.47 117.93,0.47 v1(118.56,1.11)
/mcu/12V_DIVIDED: length 39.3
  Top w0.254: R1503.2 86.28,53.09 R1504.1 85.73,51.36 D1501.1 86.31,50.22 86.56,49.97 v1(86.56,46.83) 86.31,46.58 C1523.1 ; U1501.43 84.34,29.71 85.7,29.71 v1(86.05,30.07)
  Bottom w0.254: v1(86.56,46.83) 87.58,45.81 87.58,36.67 84.27,33.37 84.27,32.61 83.26,31.59 83.26,30.83 84.02,30.07 v1(86.05,30.07)
/mcu/AV1: length 18.9
  Top w0.254: 92.15,12.79 92.93,12.01 R1.1 ; 92.15,12.79 R5.2 ; 92.15,12.79 90.37,11.02 82.79,11.02 U1501.26
/mcu/AV2: length 29.7
  Top w0.254: R2.1 v1(99.01,14.57) 99.03,14.59 R6.2 ; v1(76.91,17.62) 76.91,17.6 U1501.27
  Bottom w0.254: v1(76.91,17.62) 77.92,16.6 81.23,16.6 81.48,16.35 81.48,15.02 83.96,12.54 84.02,12.54 84.27,12.29 89.13,12.29 89.64,12.79 90.12,12.79 90.34,12.57 97,12.57 v1(99.01,14.57)
/mcu/AV3: length 23.5
  Top w0.254: U1501.28 83.8,11.42 90.2,11.42 91.39,12.61 91.39,15.08 91.64,15.33 91.64,15.84 90.14,17.34 R7.2 R3.1
/mcu/AV4: length 20.2
  Top w0.254: U1501.29 82.88,13.05 v1(84.78,13.05) ; v1(92.91,17.37) 92.81,17.47 R8.2 R4.1
  Bottom w0.254: v1(92.91,17.37) 91.64,16.1 91.39,16.1 89.86,14.57 89.86,13.81 88.85,12.79 85.54,12.79 85.29,13.05 v1(84.78,13.05)
